# KiCad board omnimarble-driver.kicad_pcb
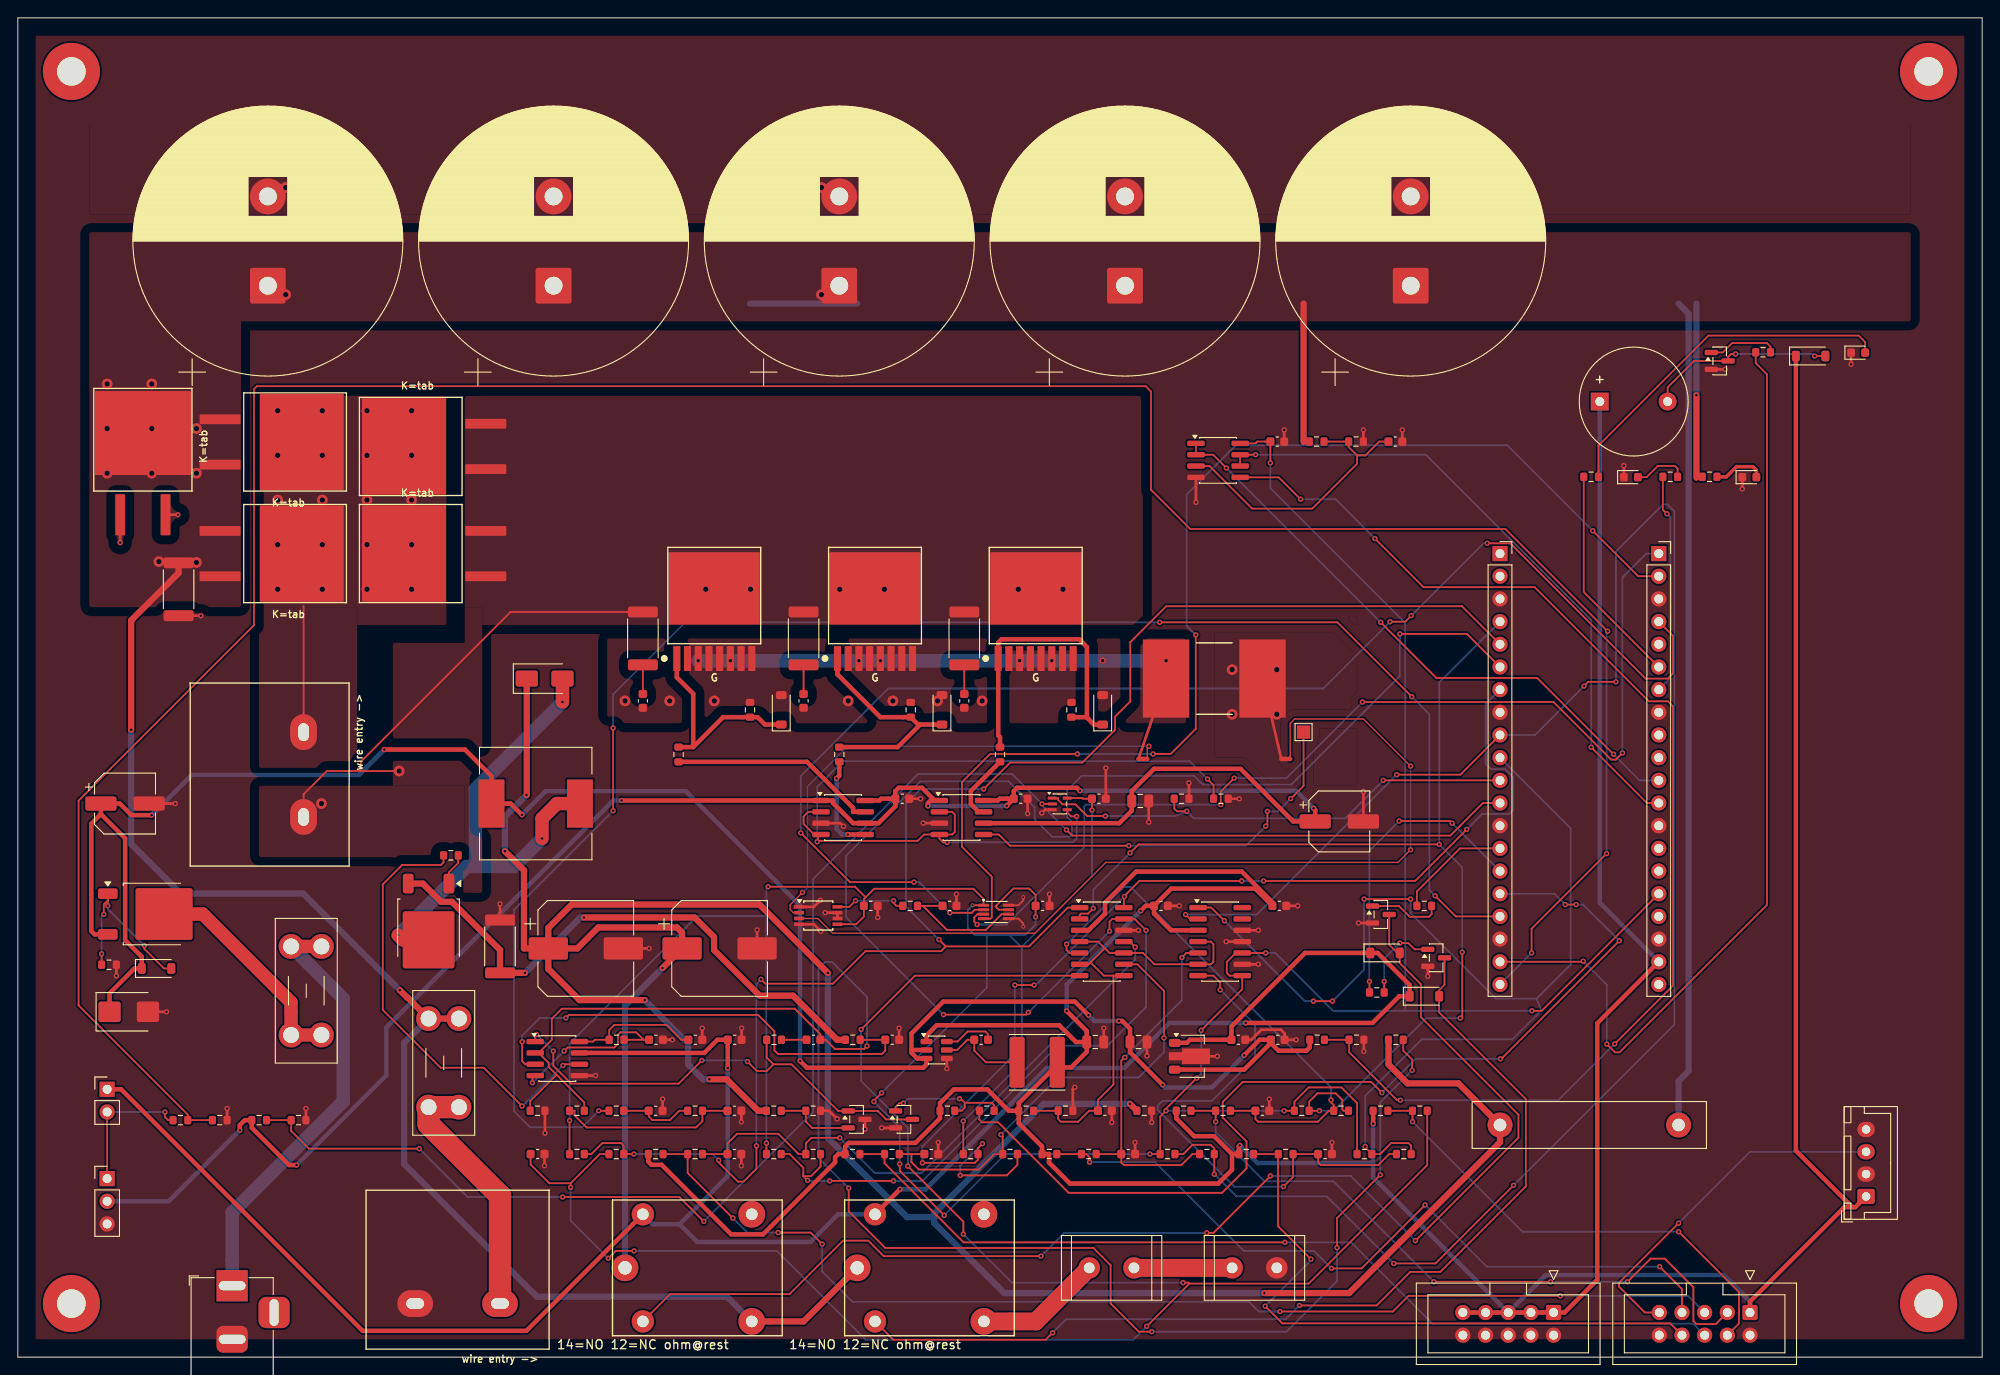
[diagram p0: board, top side]
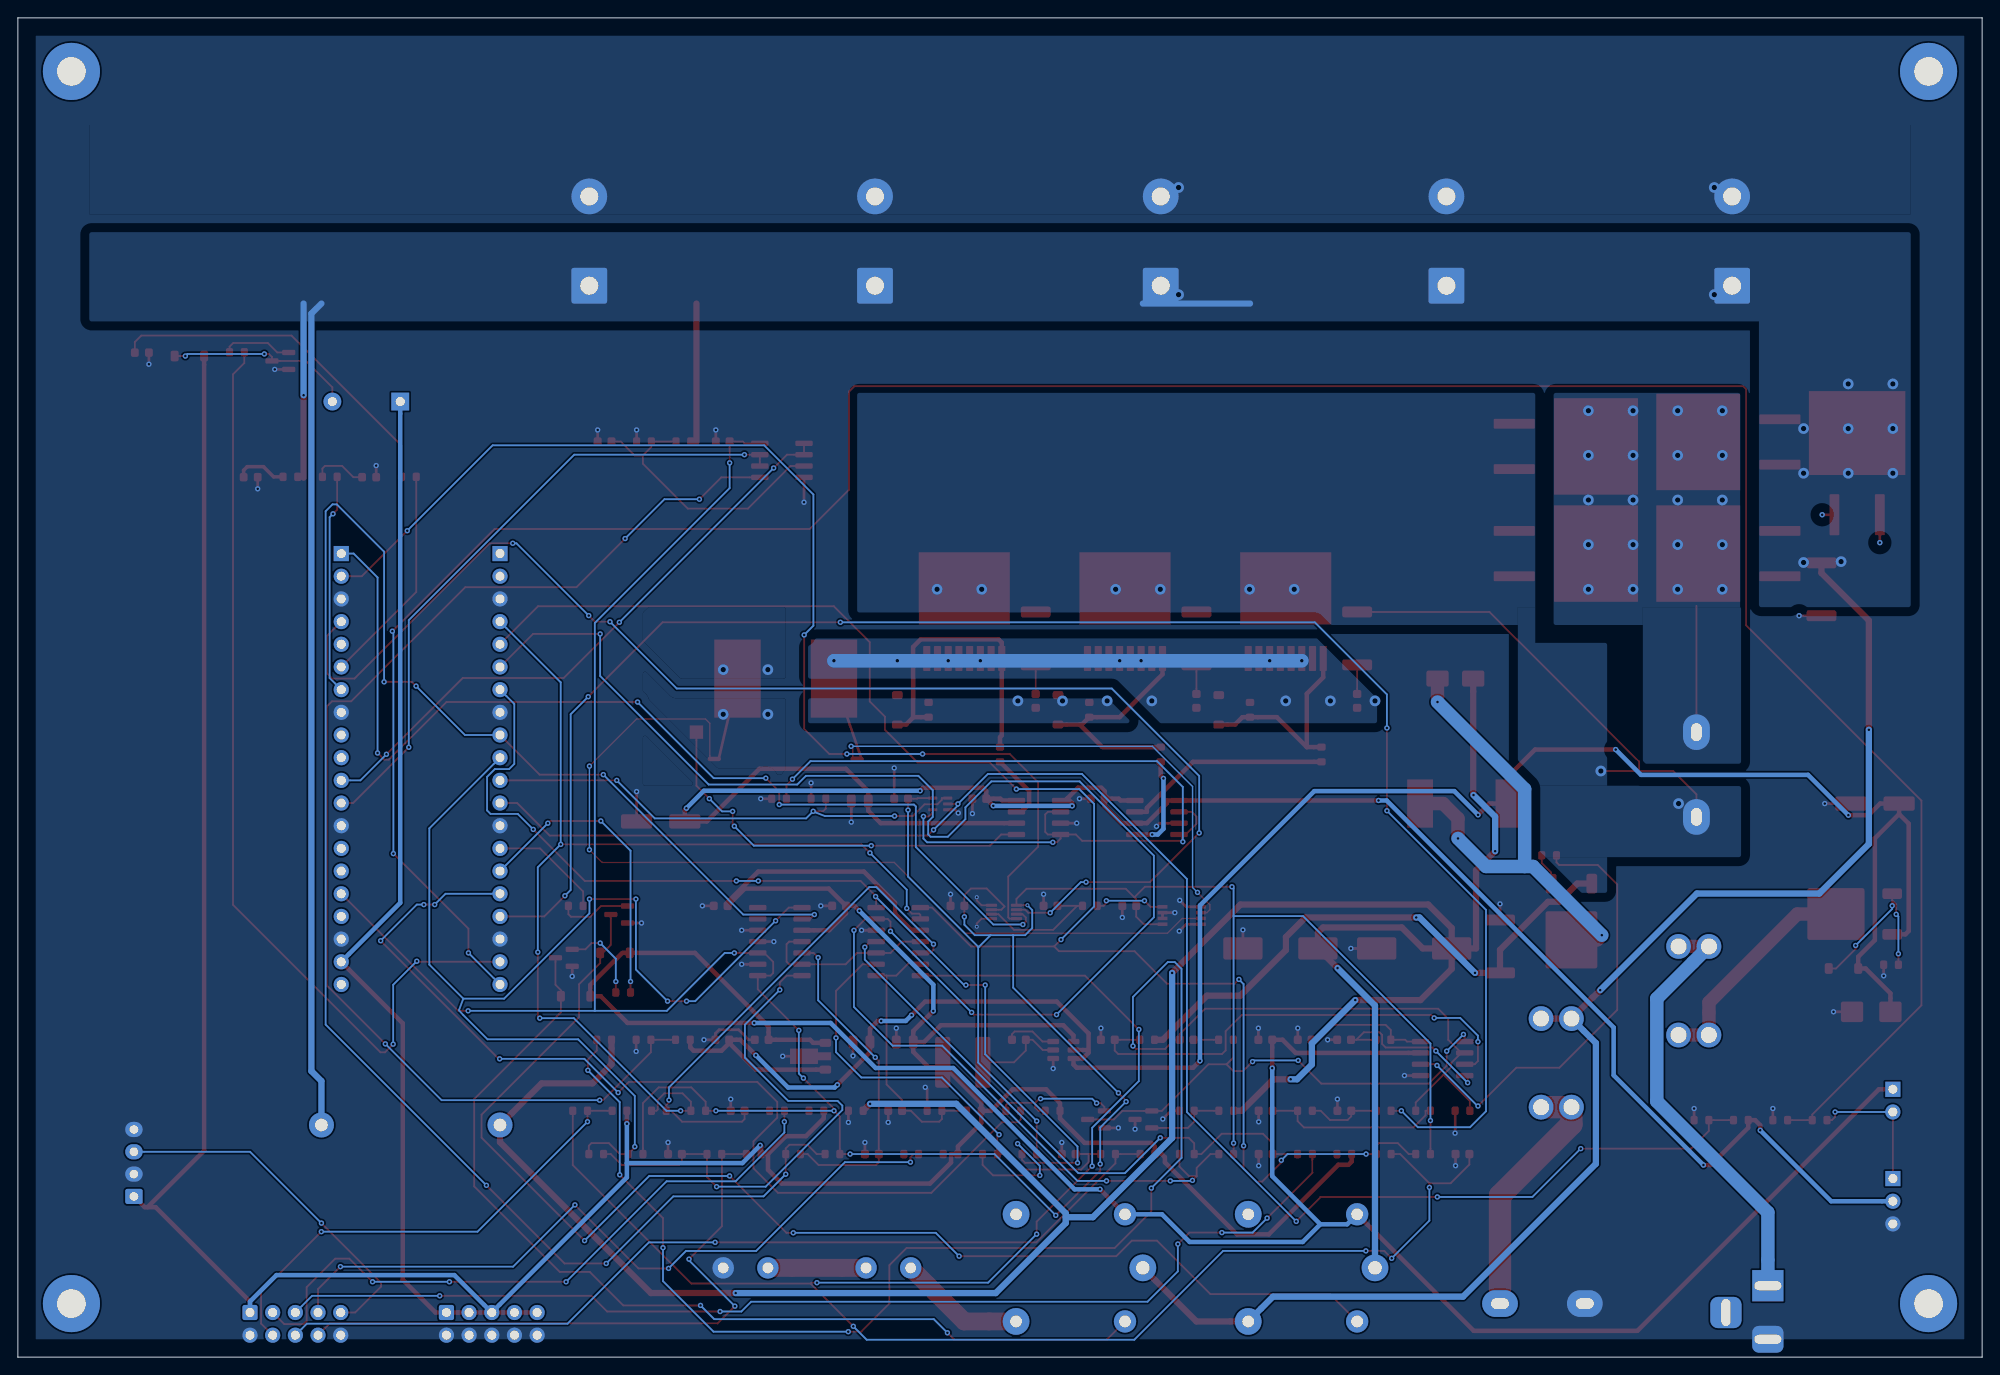
[diagram p1: board, bottom side, seen from below]

Outline 220 x 150 mm; copper layers: Top, In1.Cu (plane), In2.Cu (plane), Bottom. Coordinates in mm from the lower left corner of the outline.
Outline path: 0,150 220,150 220,0 0,0 0,150
Stack: dielectric 0mm FR4 er 4.5 / Top 0.07mm / dielectric 0.2104mm FR4 er 4.5 / In1.Cu 0.035mm / dielectric 0.94mm FR4 er 4.5 / In2.Cu 0.035mm / dielectric 0.2104mm FR4 er 4.5 / Bottom 0.07mm

## Placement (name value [footprint] x y rotation side)
BZ1  buzzer-5V  [Buzzer_12x9.5RM7.6]  177.17 107.03 0 top
C1  100u-35V  [CP_Elec_6.3x7.7]  12 62 0 top
C2  100n  [C_0603_1608Metric]  107.88 35.55 0 top
C3  10u  [C_0805_2012Metric]  120.66 35.3 0 top
C4  10u  [C_0805_2012Metric]  125.51 35.3 0 top
C5  1u  [C_0603_1608Metric]  136.69 35.55 0 top
C6  100n  [C_0603_1608Metric]  141.1 35.55 0 top
C7  1n  [C_0603_1608Metric]  71.46 35.55 0 top
C8  100n  [C_0603_1608Metric]  75.87 35.55 0 top
C9  100n  [C_0603_1608Metric]  80.28 35.55 0 top
C10  10n  [C_0603_1608Metric]  89.1 35.55 0 top
C11  1n  [C_0603_1608Metric]  97.92 35.55 0 top
C12  100u-63V  [CP_Elec_10x10.5]  63.61 45.78 0 top
C13  100u-63V  [CP_Elec_10x10.5]  78.59 45.78 0 top
C14  1u  [C_0603_1608Metric]  71.43 27.59 0 top
C15  1u  [C_0603_1608Metric]  80.25 27.59 0 top
C16  100n  [C_0603_1608Metric]  154.28 102.55 0 top
C17  100n  [C_0603_1608Metric]  141.05 102.55 0 top
C18  10u  [C_0805_2012Metric]  125.7 62.3 0 top
C19  100u-35V  [CP_Elec_6.3x7.7]  148 60 0 top
C20  100n  [C_0603_1608Metric]  121.07 62.55 0 top
C21  1u  [C_0603_1608Metric]  99.06 62.55 0 top
C22  1u  [C_0603_1608Metric]  112.31 62.55 0 top
C23  10n  [C_0603_1608Metric]  70 73.5 270 top
C24  10n  [C_0603_1608Metric]  88 73.5 270 top
C25  10n  [C_0603_1608Metric]  106 73.5 270 top
C26  100n  [C_0603_1608Metric]  95.52 50.55 0 top
C27  1n  [C_0603_1608Metric]  104.34 50.55 0 top
C28  1u  [C_0603_1608Metric]  114.76 50.55 0 top
C29  100n  [C_0603_1608Metric]  121.74 27.59 0 top
C30  1n  [C_0603_1608Metric]  139.38 27.59 0 top
C31  1n  [C_0603_1608Metric]  58.2 22.75 0 top
C32  1n  [C_0603_1608Metric]  80.25 22.75 0 top
C33  1n  [C_0603_1608Metric]  102.3 22.75 0 top
C34  1n  [C_0603_1608Metric]  124.35 22.75 0 top
C35  1n  [C_0603_1608Metric]  146.4 22.75 0 top
C36  100n  [C_0603_1608Metric]  128.02 50.55 0 top
C37  100n  [C_0603_1608Metric]  141.28 50.55 0 top
C90  2200u-63V  [CP_Radial_D30.0mm_P10.00mm_SnapIn]  28 120 90 top
C91  2200u-63V  [CP_Radial_D30.0mm_P10.00mm_SnapIn]  60 120 90 top
C92  2200u-63V  [CP_Radial_D30.0mm_P10.00mm_SnapIn]  92 120 90 top  (not fitted)
C93  2200u-63V  [CP_Radial_D30.0mm_P10.00mm_SnapIn]  124 120 90 top  (not fitted)
C94  2200u-63V  [CP_Radial_D30.0mm_P10.00mm_SnapIn]  156 120 90 top  (not fitted)
D1  BZT52C15  [D_SOD-123]  15.53 43.53 0 top
D2  SS510  [D_SMA]  59 76 0 top
D3  1N4148W  [D_SOD-123]  153.12 45.28 0 top
D4  1N4148W  [D_SOD-123]  157.53 40.43 0 top
D5  LED_red  [LED_0603_1608Metric]  193.92 98.56 0 top
D6  BZT52C15  [D_SOD-123]  85.5 72.5 90 top
D7  BZT52C15  [D_SOD-123]  103.5 72.5 90 top
D8  BZT52C15  [D_SOD-123]  121.5 72.5 90 top
D9  MBR60100DC  [D2PAK_MBR60100DC]  30.3 102.5 0 top
D10  MBR60100DC  [D2PAK_MBR60100DC]  30.3 90 0 top
D11  MBR60100DC  [D2PAK_MBR60100DC]  44.75 102 180 top
D12  MBR60100DC  [D2PAK_MBR60100DC]  44.75 90 180 top
D13  MBR60100DC  [D2PAK_MBR60100DC]  14 102 90 top
D14  LED_red  [LED_0603_1608Metric]  206.11 112.5 0 top
D15  LED_green  [LED_0603_1608Metric]  180.65 98.56 0 top
D16  1N4148W  [D_SOD-123]  200.79 112.12 0 top
D90  SMBJ26CA  [D_SMB]  12.42 38.68 0 top
F1  5A-MINI  [Fuseholder_Blade_Mini_Keystone_3568]  34 46 270 top
F2  30A-MINI  [Fuseholder_Blade_Mini_Keystone_3568]  46 28 90 top
H1  -  [MountingHole_3.2mm_M3_Pad]  6 144 0 top
H2  -  [MountingHole_3.2mm_M3_Pad]  214 144 0 top
H3  -  [MountingHole_3.2mm_M3_Pad]  6 6 0 top
H4  -  [MountingHole_3.2mm_M3_Pad]  214 6 0 top
J1  24V-IN  [BarrelJack_Horizontal]  24 8 90 top
J2  AUX-BANK  [TerminalBarrier_1x02_P9.50mm]  54 6 180 top
J3  E-STOP-NC  [PinHeader_1x02_P2.54mm_Vertical]  10 30 0 top
J4  ARM-KEY  [PinHeader_1x03_P2.54mm_Vertical]  10 20 0 top
J5  COIL  [TerminalBarrier_1x02_P9.50mm]  32 70 270 top
J6  RAIL-EMIT  [IDC-Header_2x05_P2.54mm_Vertical]  172 5 270 top
J7  RAIL-RECV  [IDC-Header_2x05_P2.54mm_Vertical]  194 5 270 top
J8  SPARE-JST  [JST_XH_B4B-XH-A_1x04_P2.50mm_Vertical]  207 18 90 top
J9  PICO-SOCKET  [PinSocket_1x20_P2.54mm_Vertical]  166 90 0 top
J10  PICO-SOCKET  [PinSocket_1x20_P2.54mm_Vertical]  183.78 90 0 top
K1  HF3FF-12V  [Relay_HF3FF_T73]  68 10 0 top
K2  HF3FF-12V  [Relay_HF3FF_T73]  94 10 0 top
L1  10uH  [L_Changjiang_FNR6045S]  114.16 33.03 0 top
L2  47uH  [L_12x12mm_H8mm]  58 62 0 top
NT1  NetTie  [NetTie-2_SMD_Pad0.5mm]  126 67 0 top
NT2  NetTie  [NetTie-2_SMD_Pad0.5mm]  142 67 0 top
Q1  MMBT3904  [SOT-23]  99.24 26.62 0 top
Q2  MMBT3904  [SOT-23]  152.66 49.58 0 top
Q3  MMBT3904  [SOT-23]  158.85 44.73 0 top
Q4  MMBT3904  [SOT-23]  190.6 111.58 0 top
Q10  SFT040N150C3  [TOLL-8]  78 83.5 0 top
Q11  SFT040N150C3  [TOLL-8]  96 83.5 0 top
Q12  SFT040N150C3  [TOLL-8]  114 83.5 0 top
Q90  AOD4185  [TO-252-2]  15.11 49.63 0 top
Q91  AOD66923  [TO-252-2]  46 48 270 top
R1  100k  [R_0603_1608Metric]  10.2 43.95 0 top
R2  100k  [R_0603_1608Metric]  145.51 35.55 0 top
R3  10k  [R_0603_1608Metric]  149.92 35.55 0 top
R4  10k  [R_0603_1608Metric]  67.05 35.55 0 top
R5  10k  [R_0603_1608Metric]  84.69 35.55 0 top
R6  10R  [R_0603_1608Metric]  48.5 56.2 0 top
R7  0.15R-2512  [R_2512_6332Metric]  54 46 90 top
R8  1k  [R_0603_1608Metric]  93.51 35.55 0 top
R9  100k  [R_0603_1608Metric]  126.15 27.59 0 top
R10  100k  [R_0603_1608Metric]  154.33 35.55 0 top
R11  10k  [R_0603_1608Metric]  58.2 27.59 0 top
R12  9.1k  [R_0603_1608Metric]  62.62 27.59 0 top
R13  10k  [R_0603_1608Metric]  67.02 27.59 0 top
R14  10k  [R_0603_1608Metric]  75.84 27.59 0 top
R15  100k  [R_0603_1608Metric]  84.66 27.59 0 top
R16  4.3k  [R_0603_1608Metric]  89.07 27.59 0 top
R17  10k  [R_0603_1608Metric]  104.1 27.59 0 top
R18  1k  [R_0603_1608Metric]  108.51 27.59 0 top
R19  47R-5W  [R_Box_L26.0mm_W5.0mm_P20.00mm]  166 26 0 top
R20  1k  [R_0603_1608Metric]  157.51 50.55 0 top
R21  100R-10W  [R_Radial_Power_L11.0mm_W7.0mm_P5.00mm]  120 10 0 top
R22  100R-10W  [R_Radial_Power_L11.0mm_W7.0mm_P5.00mm]  136 10 0 top
R23  1k  [R_0603_1608Metric]  152.2 40.85 0 top
R24  6.8k  [R_2512_6332Metric]  18 86 270 top
R25  47k  [R_0603_1608Metric]  189.47 98.59 0 top
R26  100k  [R_0603_1608Metric]  145.46 102.55 0 top
R27  5.1k  [R_0603_1608Metric]  149.87 102.55 0 top
R28  27k  [R_0603_1608Metric]  18.2 26.55 0 top
R29  10k  [R_0603_1608Metric]  22.61 26.55 0 top
R30  27k  [R_0603_1608Metric]  27.02 26.55 0 top
R31  10k  [R_0603_1608Metric]  31.43 26.55 0 top
R32  10k  [R_0603_1608Metric]  130.33 62.55 0 top
R33  10k  [R_0603_1608Metric]  134.74 62.55 0 top
R34  10R  [R_0603_1608Metric]  74 67.5 90 top
R35  10k  [R_0603_1608Metric]  82 72.5 90 top
R36  4.7R  [R_2512_6332Metric]  70 80.5 270 top
R37  10R  [R_0603_1608Metric]  92 67.5 90 top
R38  10k  [R_0603_1608Metric]  100 72.5 90 top
R39  4.7R  [R_2512_6332Metric]  88 80.5 270 top
R40  10R  [R_0603_1608Metric]  110 67.5 90 top
R41  10k  [R_0603_1608Metric]  118 72.5 90 top
R42  4.7R  [R_2512_6332Metric]  106 80.5 270 top
R43  10R  [R_0603_1608Metric]  99.93 50.55 0 top
R44  10k  [R_0603_1608Metric]  112.92 27.59 0 top
R45  10k  [R_0603_1608Metric]  117.33 27.59 0 top
R46  10k  [R_0603_1608Metric]  130.56 27.59 0 top
R47  1k  [R_0603_1608Metric]  134.97 27.59 0 top
R48  10k  [R_0603_1608Metric]  143.79 27.59 0 top
R49  220k  [R_0603_1608Metric]  148.2 27.59 0 top
R50  10k  [R_0603_1608Metric]  152.61 27.59 0 top
R51  1k  [R_0603_1608Metric]  157.02 27.59 0 top
R52  10k  [R_0603_1608Metric]  62.62 22.75 0 top
R53  220k  [R_0603_1608Metric]  67.02 22.75 0 top
R54  10k  [R_0603_1608Metric]  71.43 22.75 0 top
R55  1k  [R_0603_1608Metric]  75.84 22.75 0 top
R56  10k  [R_0603_1608Metric]  84.66 22.75 0 top
R57  220k  [R_0603_1608Metric]  89.07 22.75 0 top
R58  10k  [R_0603_1608Metric]  93.48 22.75 0 top
R59  1k  [R_0603_1608Metric]  97.89 22.75 0 top
R60  10k  [R_0603_1608Metric]  106.71 22.75 0 top
R61  220k  [R_0603_1608Metric]  111.12 22.75 0 top
R62  10k  [R_0603_1608Metric]  115.53 22.75 0 top
R63  1k  [R_0603_1608Metric]  119.94 22.75 0 top
R64  10k  [R_0603_1608Metric]  128.76 22.75 0 top
R65  220k  [R_0603_1608Metric]  133.17 22.75 0 top
R66  10k  [R_0603_1608Metric]  137.58 22.75 0 top
R67  1k  [R_0603_1608Metric]  141.99 22.75 0 top
R68  10k  [R_0603_1608Metric]  150.81 22.75 0 top
R69  220k  [R_0603_1608Metric]  155.22 22.75 0 top
R70  1k  [R_0603_1608Metric]  176.2 98.59 0 top
R71  1k  [R_0603_1608Metric]  185.06 98.59 0 top
R72  1k  [R_0603_1608Metric]  195.46 112.55 0 top
RS1  0.2m  [Shunt_5930]  134 76 0 top
TP1  DRV_SPARE  [TestPoint_Pad_1.5x1.5mm]  144 70 0 top
U1  AP63205  [TSOT-23-6]  102.9 34.4 0 top
U2  78L12  [SOT-89-3]  131.51 33.7 0 top
U3  MCP6002  [SOIC-8_3.9x4.9mm_P1.27mm]  134.42 100.44 0 top
U4  UC3843B  [SOIC-8_3.9x4.9mm_P1.27mm]  60.42 33.44 0 top
U5  TL431B  [SOT-23]  93.93 26.62 0 top
U6  74LVC1G08  [SOT-353_SC-70-5]  116.69 61.96 0 top
U7  UCC27524A  [SOIC-8_3.9x4.9mm_P1.27mm]  92.42 60.44 0 top
U8  UCC27524A  [SOIC-8_3.9x4.9mm_P1.27mm]  105.68 60.44 0 top
U9  INA240A1  [TSSOP-8_3x3mm_P0.65mm]  89.64 49.46 0 top
U10  ADS7042  [VSSOP-8_2.3x2mm_P0.5mm]  109.56 49.86 0 top
U11  LM339  [SOIC-14_3.9x8.7mm_P1.27mm]  121.39 46.54 0 top
U12  LM339  [SOIC-14_3.9x8.7mm_P1.27mm]  134.65 46.54 0 top

## Library data of the parts
BZ1 = -: LCSC: C409842
C1 C19 = -: KiLib_Generator: capacitor/SMD/elec_round_polarized; LCSC: C176666
C2 C6 C8 C9 C16 C17 C20 C26 C29 C36 C37 = -: KiLib_Generator: SMD_2terminal_chip_molded; LCSC: C14663
C3 C4 C18 = -: KiLib_Generator: SMD_2terminal_chip_molded; LCSC: C15850
C5 C14 C15 C21 C22 C28 = -: KiLib_Generator: SMD_2terminal_chip_molded; LCSC: C15849
C7 C11 C27 C30-C35 = -: KiLib_Generator: SMD_2terminal_chip_molded; LCSC: C1588
C10 C23-C25 = -: KiLib_Generator: SMD_2terminal_chip_molded; LCSC: C57112
C12 C13 = -: KiLib_Generator: capacitor/SMD/elec_round_polarized; LCSC: C28241
C90-C94 = -: KiLib_Generator: capacitor/THT/other; LCSC: C3724971
D1 D6-D8 = -: LCSC: C19077412
D2 = -: LCSC: C65010
D3 D4 D16 = -: LCSC: C81598
D5 D14 = -: KiLib_Generator: SMD_2terminal_chip_molded; LCSC: C2286
D9-D13 = -: LCSC: C6069541
D15 = -: KiLib_Generator: SMD_2terminal_chip_molded; LCSC: C2289
D90 = -: LCSC: C113996
F1 F2 = -: LCSC: C5249699
H1-H4 = -: KiLib_Generator: mounting_hardware/mounting_hole
J1 = -: LCSC: C381116
J2 J5 = -: LCSC: C707836
J3 J4 = -: KiLib_Generator: connector/pin_header_socket
J6 J7 = -: KiLib_Generator: connector/pin_header_socket; LCSC: C5665
J8 = -: KiLib_Generator: connector/JST; LCSC: C144395
J9 J10 = -: KiLib_Generator: connector/pin_header_socket; LCSC: C50984
K1 K2 = -: LCSC: C399561
L1 = -: KiLib_Generator: inductor/SMD; LCSC: C79272
L2 = -: LCSC: C497913
Q1-Q4 = -: KiLib_Generator: package/gullwing; LCSC: C20526
Q10-Q12 = -: LCSC: C42395334
Q90 = -: KiLib_Generator: package/TO_SOT/SMD; LCSC: C5371006
Q91 = -: KiLib_Generator: package/TO_SOT/SMD; LCSC: C485687
R1 R2 R9 R10 R15 R26 = -: KiLib_Generator: SMD_2terminal_chip_molded; LCSC: C25803
R3-R5 R11 R13 R14 R17 R29 R31-R33 R35 R38 R41 R44-R46 R48 R50 R52 R54 R56 R58 R60 R62 R64 R66 R68 = -: KiLib_Generator: SMD_2terminal_chip_molded; LCSC: C25804
R6 R34 R37 R40 R43 = -: KiLib_Generator: SMD_2terminal_chip_molded; LCSC: C22859
R7 = -: KiLib_Generator: SMD_2terminal_chip_molded; LCSC: C2903485
R8 R18 R20 R23 R47 R51 R55 R59 R63 R67 R70-R72 = -: KiLib_Generator: SMD_2terminal_chip_molded; LCSC: C21190
R12 = -: KiLib_Generator: SMD_2terminal_chip_molded; LCSC: C23260
R16 = -: KiLib_Generator: SMD_2terminal_chip_molded; LCSC: C23159
R19 = -: KiLib_Generator: resistor/THT; LCSC: C5807995
R21 R22 = -: KiLib_Generator: resistor/THT; LCSC: C5110275
R24 = -: KiLib_Generator: SMD_2terminal_chip_molded; LCSC: C26073
R25 = -: KiLib_Generator: SMD_2terminal_chip_molded; LCSC: C25819
R27 = -: KiLib_Generator: SMD_2terminal_chip_molded; LCSC: C23186
R28 R30 = -: KiLib_Generator: SMD_2terminal_chip_molded; LCSC: C22967
R36 R39 R42 = -: KiLib_Generator: SMD_2terminal_chip_molded; LCSC: C25489
R49 R53 R57 R61 R65 R69 = -: KiLib_Generator: SMD_2terminal_chip_molded; LCSC: C22961
RS1 = -: LCSC: C469442
U1 = -: KiLib_Generator: package/gullwing; LCSC: C2071056
U2 = -: LCSC: C347272
U3 = -: KiLib_Generator: package/gullwing; LCSC: C7377
U4 = -: KiLib_Generator: package/gullwing; LCSC: C2995531
U5 = -: KiLib_Generator: package/gullwing; LCSC: C41283
U6 = -: KiLib_Generator: package/gullwing; LCSC: C7832
U7 U8 = -: KiLib_Generator: package/gullwing; LCSC: C185857
U9 = -: LCSC: C93965
U10 = -: KiLib_Generator: package/gullwing; LCSC: C701641
U11 U12 = -: KiLib_Generator: package/gullwing; LCSC: C7948

## Footprints (pads in the part's own frame, mm; a bottom-side part is the same pattern mirrored in y, then rotated)
BarrelJack_Horizontal
  rect 3.5x3.5 hole 1x3: 1(0,0)
  rrect 3x3.5 hole 1x3: 2(-6,0)
  rrect 3.5x3.5 hole 3x1: 3(-3,-4.7)
Buzzer_12x9.5RM7.6
  rect 2x2 hole 1: 1(0,0)
  round 2 hole 1: 2(7.6,0)
C_0603_1608Metric
  rrect 0.9x0.95 smd: 1(-0.775,0) 2(0.775,0)
C_0805_2012Metric
  rrect 1x1.45 smd: 1(-0.95,0) 2(0.95,0)
CP_Elec_6.3x7.7
  rrect 3.5x1.6 smd: 1(-2.7,0) 2(2.7,0)
CP_Elec_10x10.5
  rrect 4.4x2.5 smd: 1(-4.2,0) 2(4.2,0)
CP_Radial_D30.0mm_P10.00mm_SnapIn
  rrect 4x4 hole 2: 1(0,0)
  round 4 hole 2: 2(10,0)
D2PAK_MBR60100DC
  rect 9.4x10.8 smd: 1(1.5,0)
  rrect 4.6x1.1 smd: 2(-7.65,2.54) 2(-7.65,-2.54)
D_SMA
  rrect 2.5x1.8 smd: 1(-2,0) 2(2,0)
D_SMB
  rrect 2.5x2.3 smd: 1(-2.15,0) 2(2.15,0)
D_SOD-123
  rrect 0.9x1.2 smd: 1(-1.65,0) 2(1.65,0)
Fuseholder_Blade_Mini_Keystone_3568
  round 2.78 hole 1.78: 1(0,0) 1(0,-3.4) 2(9.92,0) 2(9.92,-3.4)
IDC-Header_2x05_P2.54mm_Vertical
  rrect 1.7x1.7 hole 1: 1(0,0)
  round 1.7 hole 1: 2(2.54,0) 3(0,-2.54) 4(2.54,-2.54) 5(0,-5.08) 6(2.54,-5.08) 7(0,-7.62) 8(2.54,-7.62) 9(0,-10.16) 10(2.54,-10.16)
JST_XH_B4B-XH-A_1x04_P2.50mm_Vertical
  rrect 1.7x1.95 hole 0.95: 1(0,0)
  oval 1.7x1.95 hole 0.95: 2(2.5,0) 3(5,0) 4(7.5,0)
L_12x12mm_H8mm
  rect 2.9x5.4 smd: 1(-4.95,0) 2(4.95,0)
L_Changjiang_FNR6045S
  rrect 1.7x5.7 smd: 1(-2.25,0) 2(2.25,0)
LED_0603_1608Metric
  rrect 0.875x0.95 smd: 1(-0.787,0) 2(0.787,0)
MountingHole_3.2mm_M3_Pad
  round 6.4 hole 3.2: 1(0,0)
NetTie-2_SMD_Pad0.5mm
  round 0.5 smd: 1(-0.5,0) 2(0.5,0)
PinHeader_1x02_P2.54mm_Vertical
  rect 1.7x1.7 hole 1: 1(0,0)
  round 1.7 hole 1: 2(0,-2.54)
PinHeader_1x03_P2.54mm_Vertical
  rect 1.7x1.7 hole 1: 1(0,0)
  round 1.7 hole 1: 2(0,-2.54) 3(0,-5.08)
PinSocket_1x20_P2.54mm_Vertical
  rect 1.7x1.7 hole 1: 1(0,0)
  round 1.7 hole 1: 2(0,-2.54) 3(0,-5.08) 4(0,-7.62) 5(0,-10.16) 6(0,-12.7) 7(0,-15.24) 8(0,-17.78) 9(0,-20.32) 10(0,-22.86) 11(0,-25.4) 12(0,-27.94) 13(0,-30.48) 14(0,-33.02) 15(0,-35.56) 16(0,-38.1) 17(0,-40.64) 18(0,-43.18) 19(0,-45.72) 20(0,-48.26)
R_0603_1608Metric
  rrect 0.8x0.95 smd: 1(-0.825,0) 2(0.825,0)
R_2512_6332Metric
  rrect 1.225x3.35 smd: 1(-2.962,0) 2(2.962,0)
R_Box_L26.0mm_W5.0mm_P20.00mm
  round 2.8 hole 1.4: 1(0,0) 2(20,0)
R_Radial_Power_L11.0mm_W7.0mm_P5.00mm
  round 2.4 hole 1.2: 1(0,0) 2(5,0)
Relay_HF3FF_T73
  round 3 hole 1.5: 11(0,0)
  round 3 hole 1.3: 12(14.2,6) 14(14.2,-6)
  round 2.5 hole 1.3: A1(2,6) A2(2,-6)
Shunt_5930
  rect 5.2x8.75 smd: 1(-5.4,0) 2(5.4,0)
SOIC-8_3.9x4.9mm_P1.27mm
  rrect 1.95x0.6 smd: 1(-2.475,1.905) 2(-2.475,0.635) 3(-2.475,-0.635) 4(-2.475,-1.905) 5(2.475,-1.905) 6(2.475,-0.635) 7(2.475,0.635) 8(2.475,1.905)
SOIC-14_3.9x8.7mm_P1.27mm
  rrect 1.95x0.6 smd: 1(-2.475,3.81) 2(-2.475,2.54) 3(-2.475,1.27) 4(-2.475,0) 5(-2.475,-1.27) 6(-2.475,-2.54) 7(-2.475,-3.81) 8(2.475,-3.81) 9(2.475,-2.54) 10(2.475,-1.27) 11(2.475,0) 12(2.475,1.27) 13(2.475,2.54) 14(2.475,3.81)
SOT-23
  rrect 1.475x0.6 smd: 1(-0.938,0.95) 2(-0.938,-0.95) 3(0.938,0)
SOT-89-3
  rrect 1.3x0.9 smd: 1(-1.95,1.5) 3(-1.95,-1.5)
  custom 4.6x1.733 smd: 2(-1.863,0)
SOT-353_SC-70-5
  rrect 1.025x0.35 smd: 1(-0.838,0.65) 2(-0.838,0) 3(-0.838,-0.65) 4(0.838,-0.65) 5(0.838,0.65)
TerminalBarrier_1x02_P9.50mm
  oval 4x3 hole 2x1.2: 1(0,0) 2(9.5,0)
TestPoint_Pad_1.5x1.5mm
  rect 1.5x1.5 smd: 1(0,0)
TO-252-2
  rrect 3.05x2.75 smd: (-0.415,1.525) (-0.415,-1.525) (2.935,1.525) (2.935,-1.525)
  rrect 2.2x1.2 smd: 1(-5.04,2.28) 3(-5.04,-2.28)
  rrect 6.4x5.8 smd: 2(1.26,0)
TOLL-8
  rrect 0.8x2.8 smd: 1(-4.2,-5.25) 3(-3,-5.25) 3(-1.8,-5.25) 3(-0.6,-5.25) 3(0.6,-5.25) 3(1.8,-5.25) 3(3,-5.25) 3(4.2,-5.25)
  rect 10.2x8.1 smd: 2(0,2.6)
TSOT-23-6
  rrect 1.325x0.6 smd: 1(-1.137,0.95) 2(-1.137,0) 3(-1.137,-0.95) 4(1.137,-0.95) 5(1.137,0) 6(1.137,0.95)
TSSOP-8_3x3mm_P0.65mm
  rect 1.1x0.4 smd: 1(-2.15,0.975) 2(-2.15,0.325) 3(-2.15,-0.325) 4(-2.15,-0.975) 5(2.15,-0.975) 6(2.15,-0.325) 7(2.15,0.325) 8(2.15,0.975)
VSSOP-8_2.3x2mm_P0.5mm
  rrect 1.25x0.35 smd: 1(-1.4,0.75) 2(-1.4,0.25) 3(-1.4,-0.25) 4(-1.4,-0.75) 5(1.4,-0.75) 6(1.4,-0.25) 7(1.4,0.25) 8(1.4,0.75)
